# Altium PCB DAW500LCB.PcbDoc (part 1 of 3)
Units mm, origin at the board's own origin, x right, y up, seen from the top; angles counter-clockwise.
Board outline 180.09 x 194.82 mm, 2 copper layers (Top Layer, Bottom Layer); 330 components, 331 nets, 1136 pads, 143 vias.
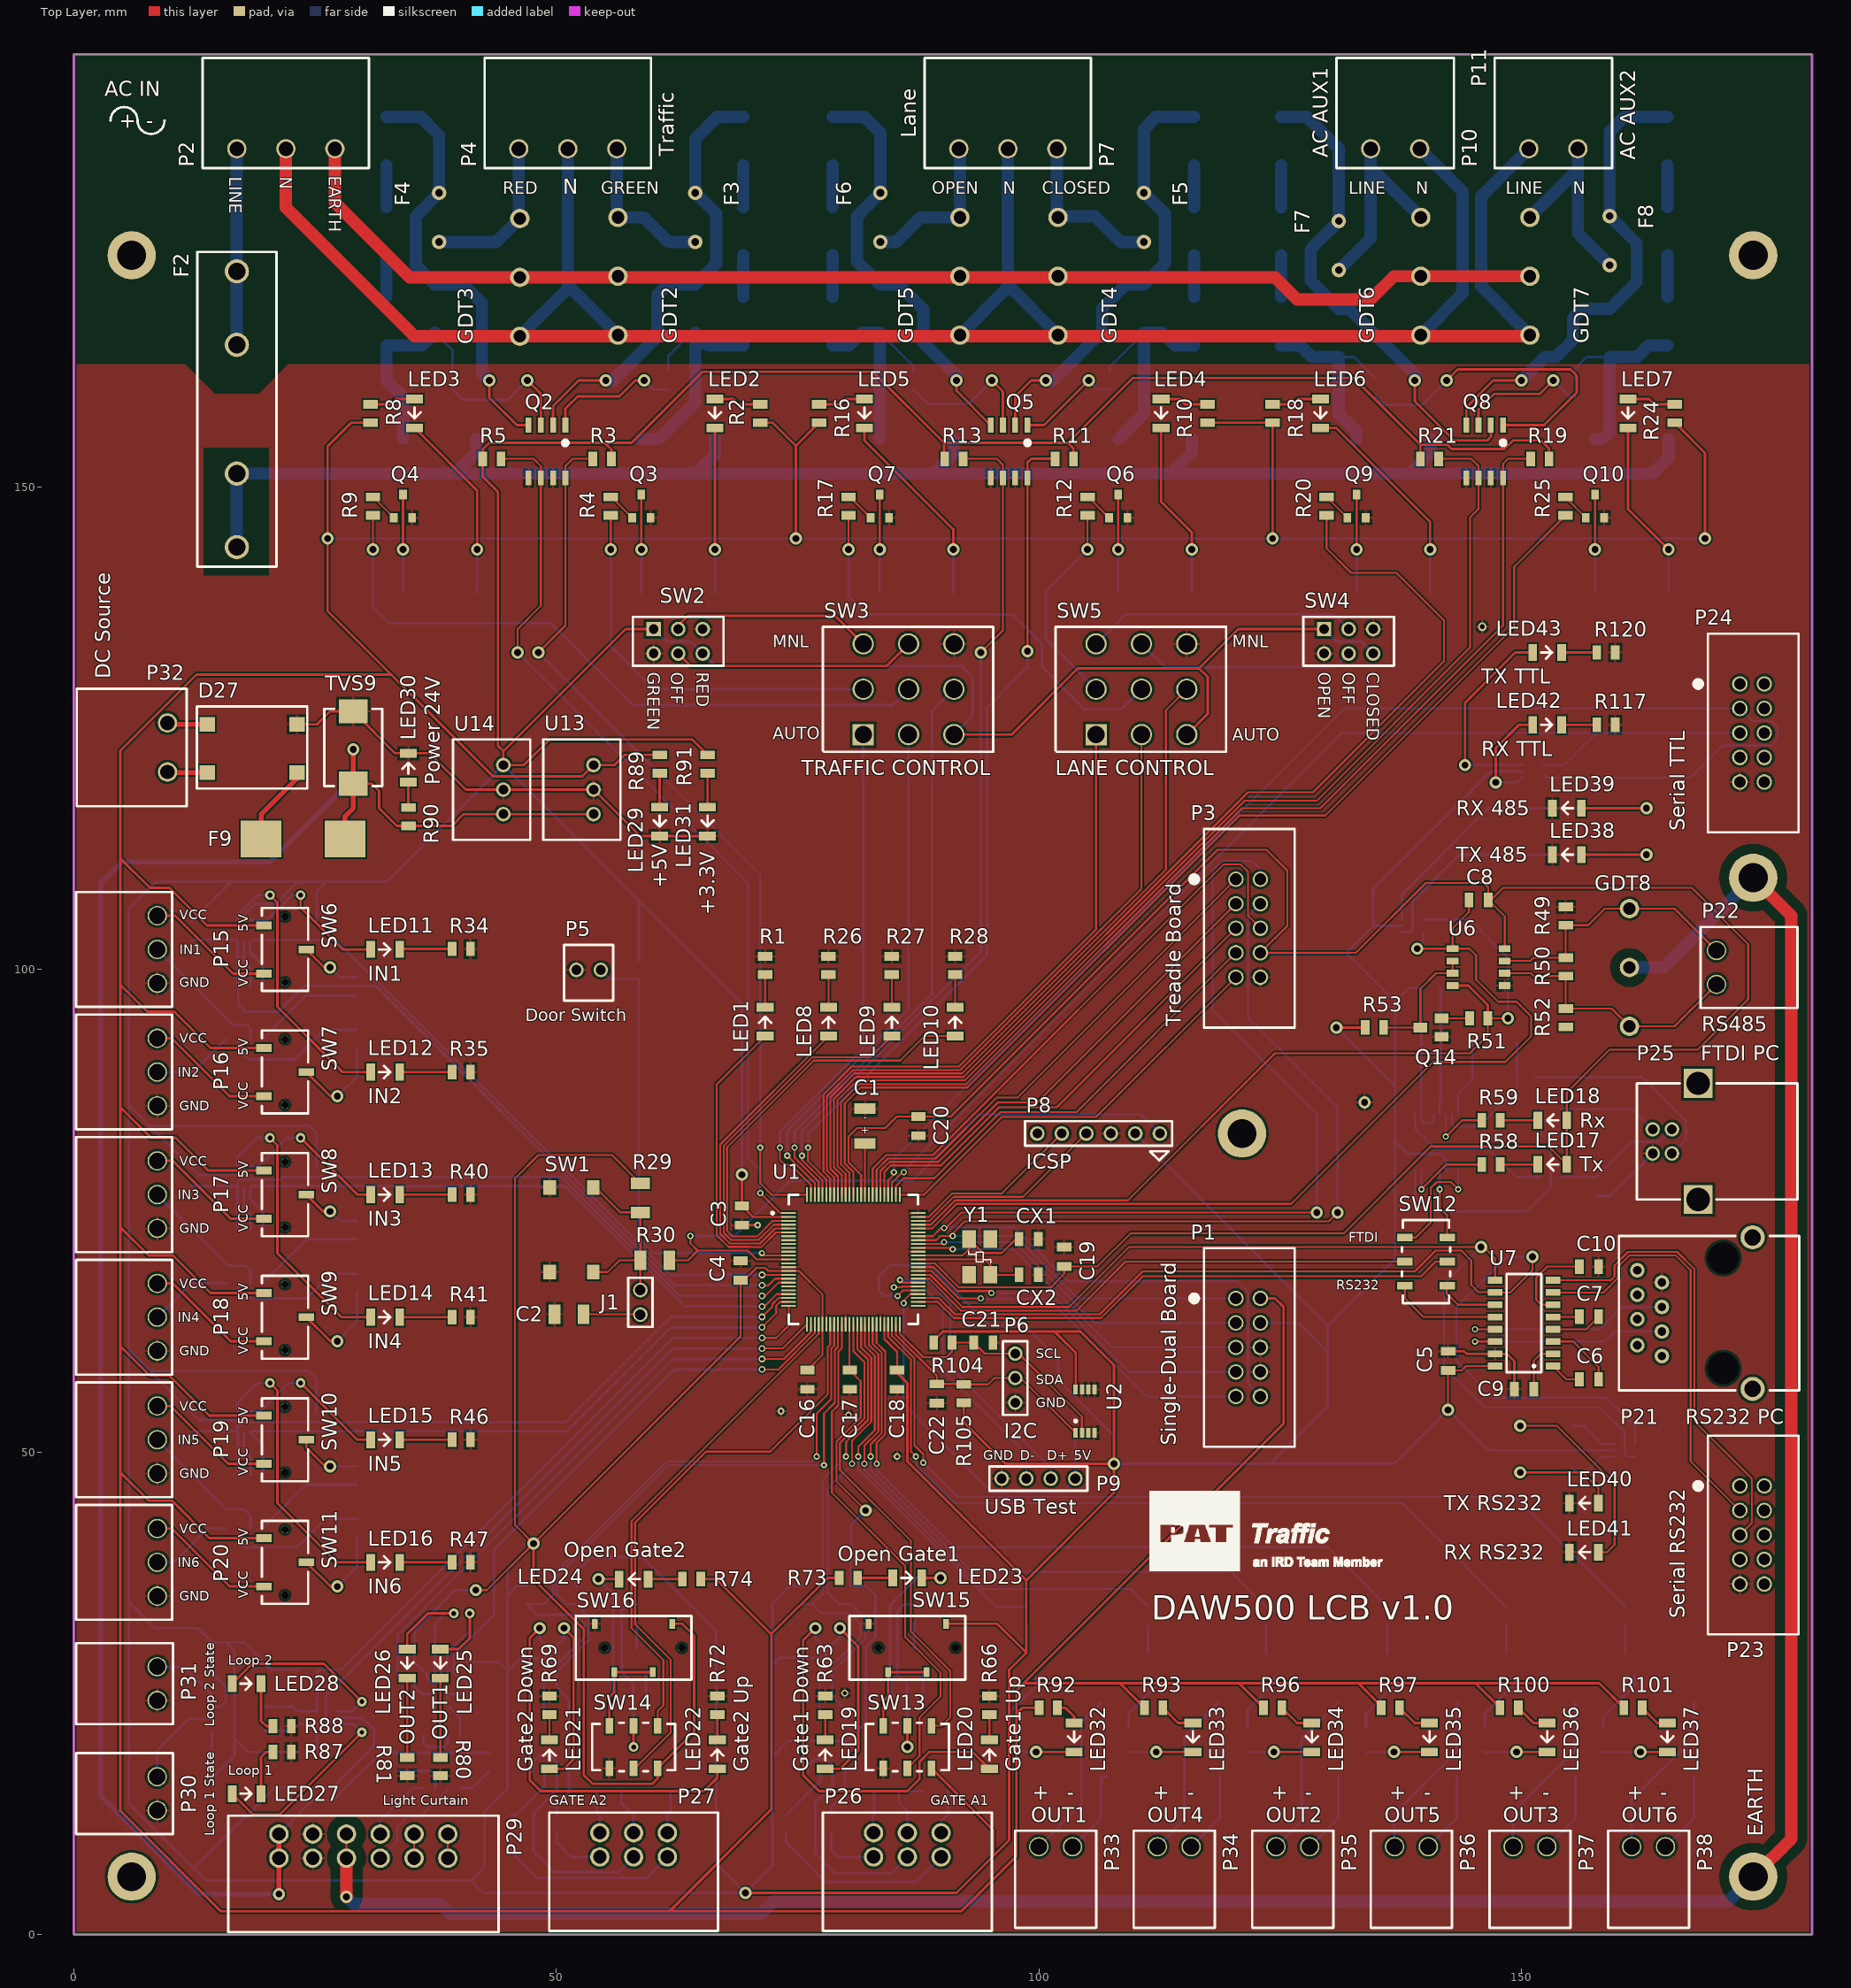
[diagram p0: Top Layer view]
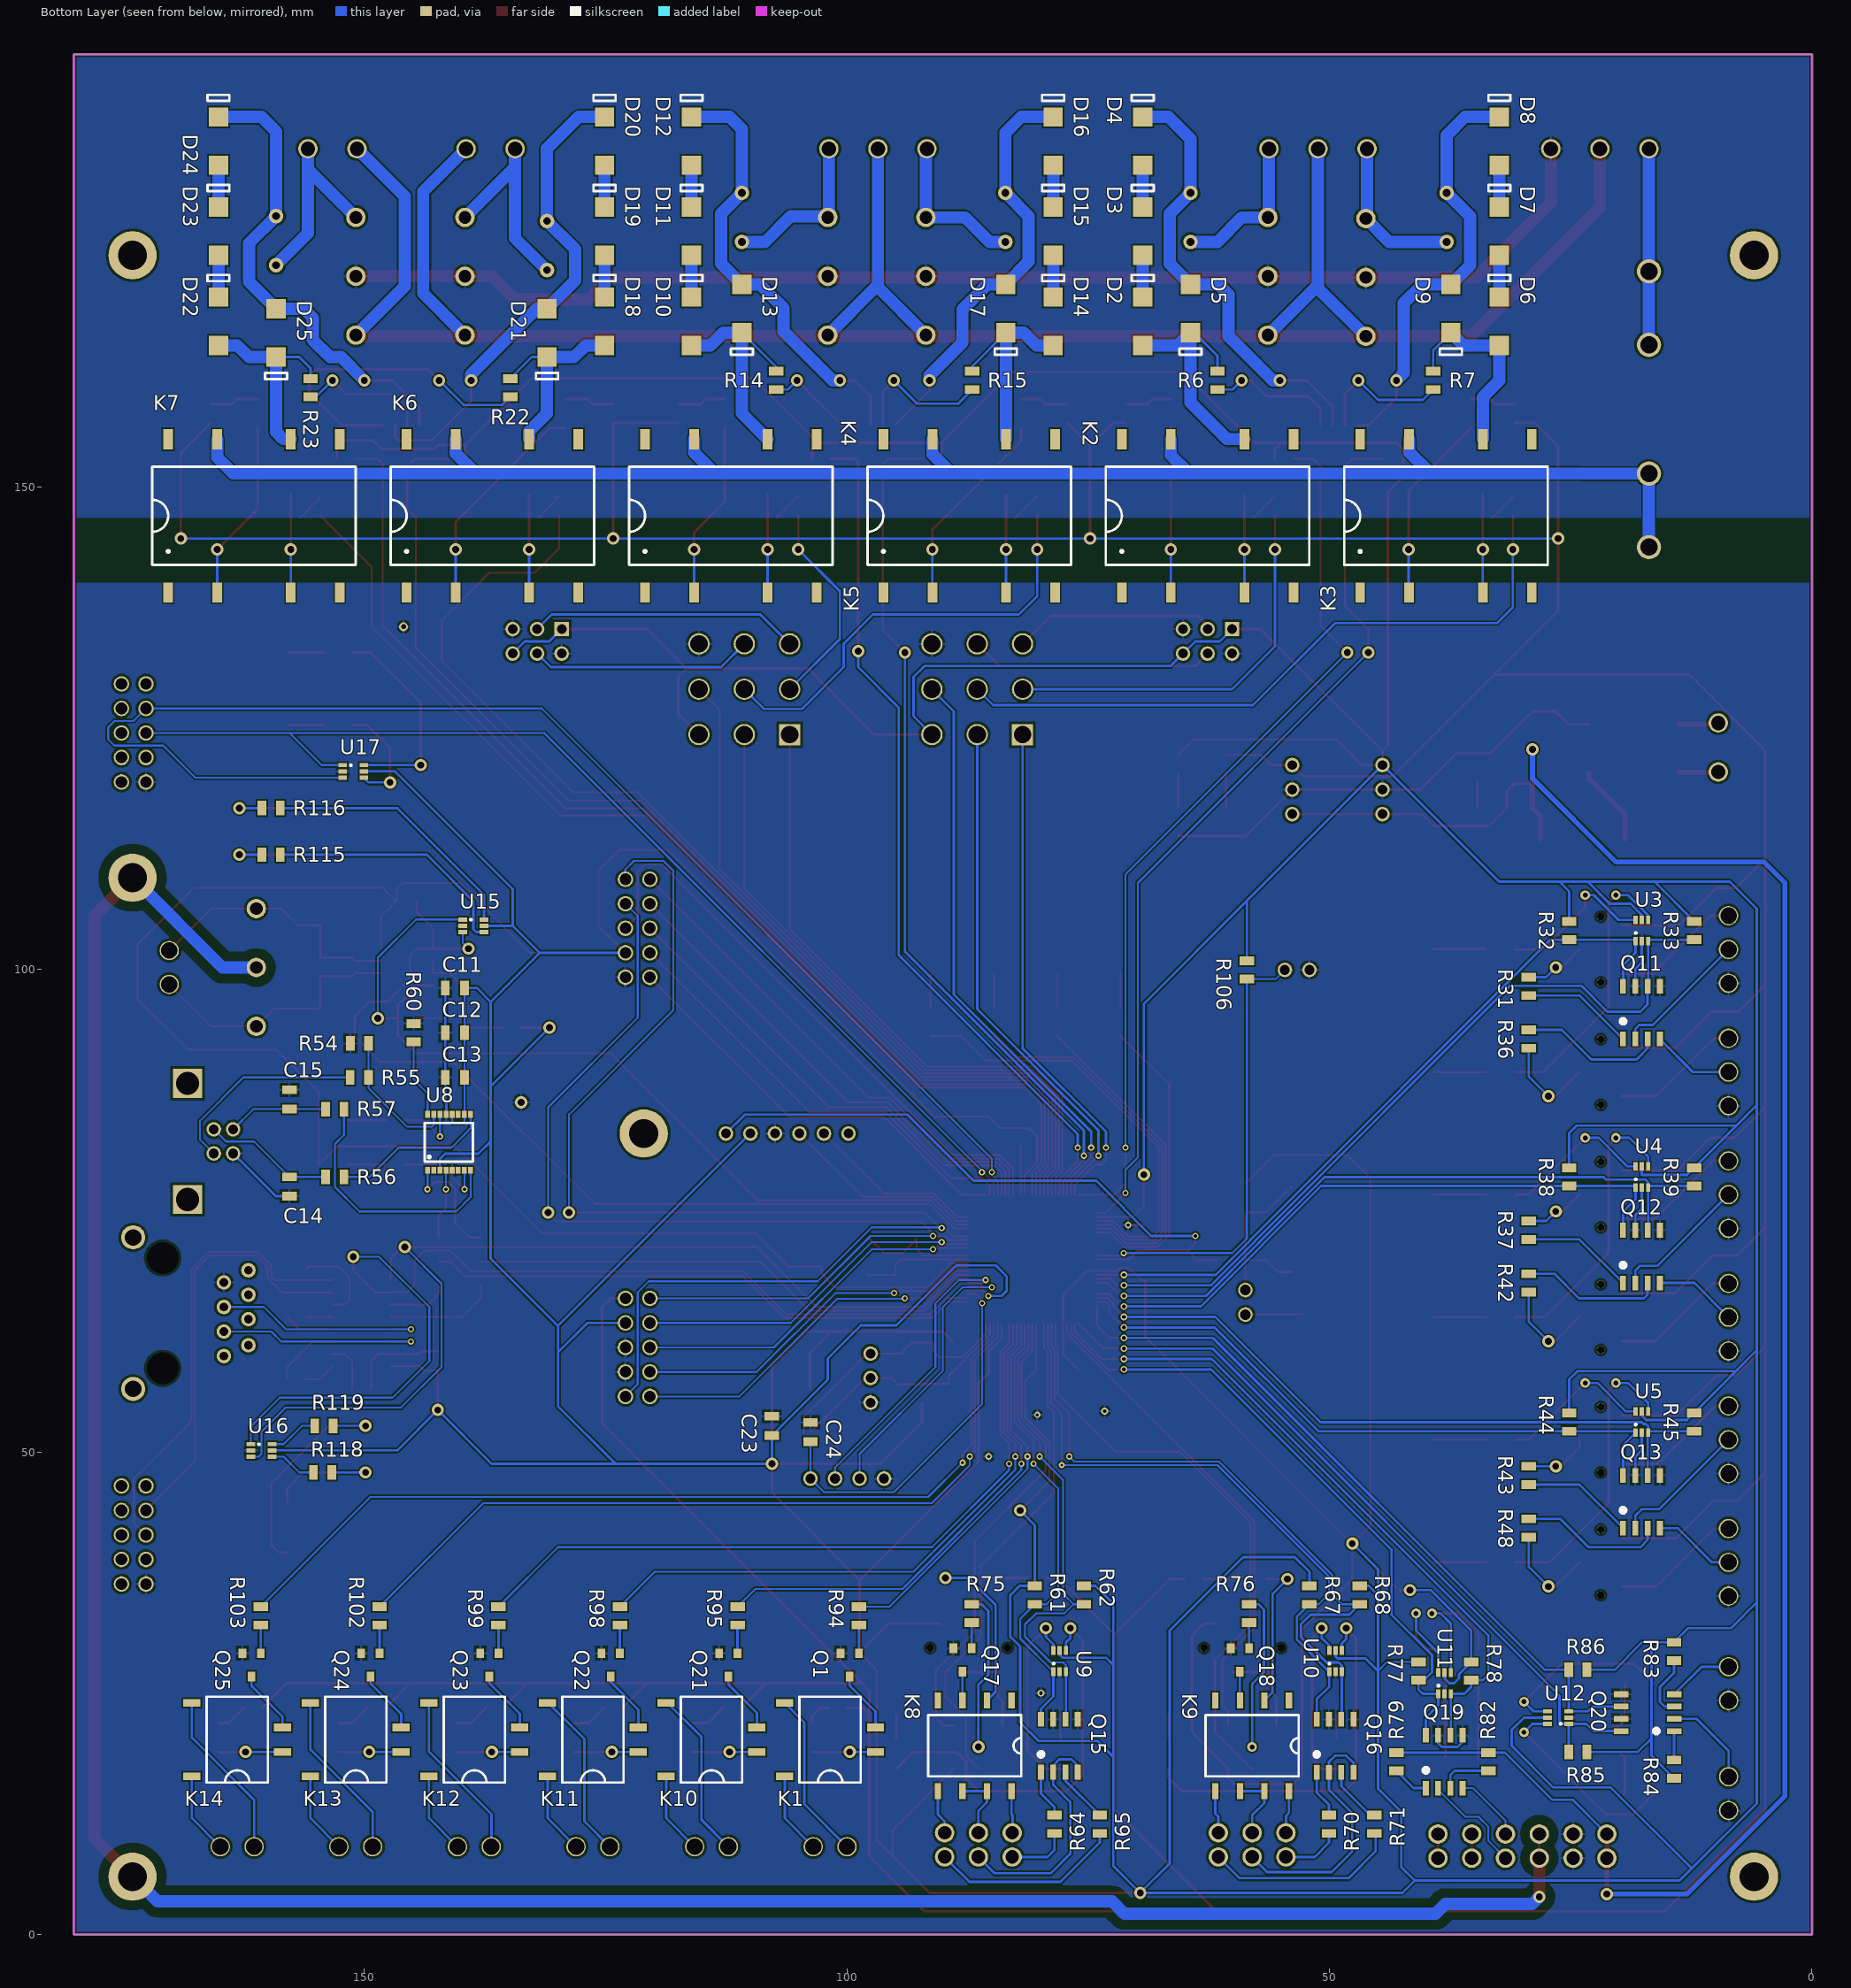
[diagram p1: Bottom Layer view, seen from below]
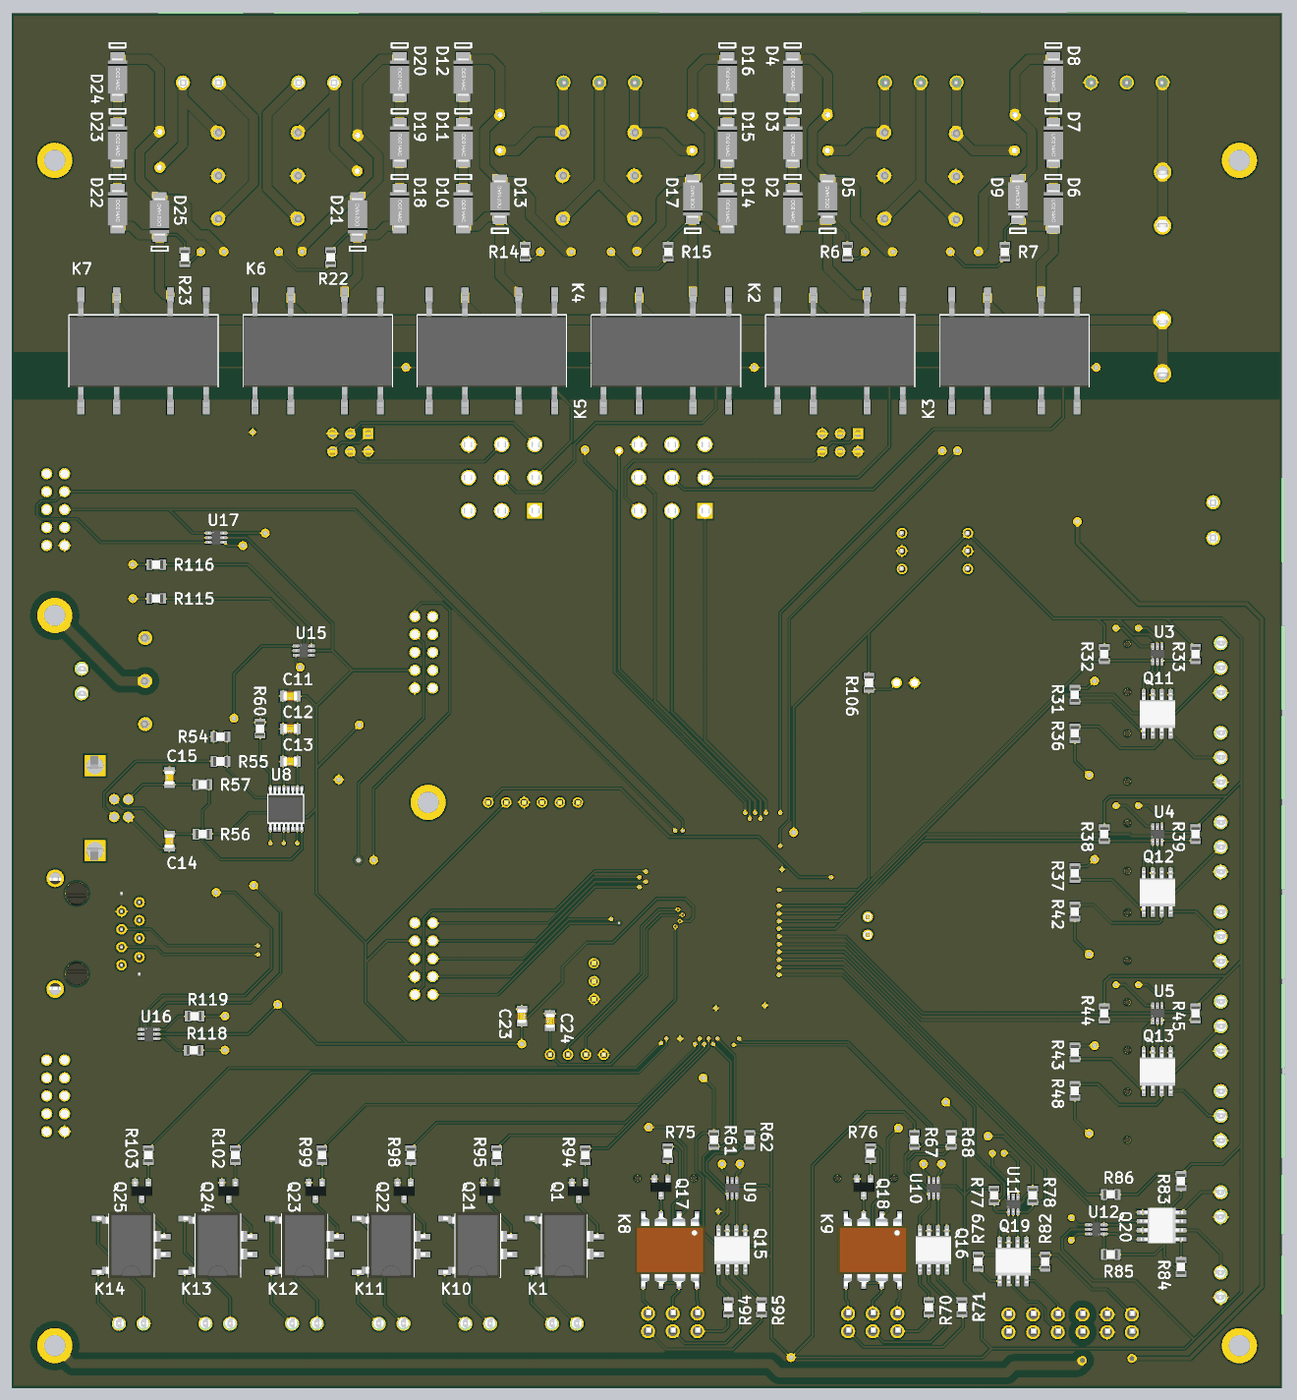
[diagram p4: 3D render of the assembled board from below, using the file's embedded part models]

## Layer stack, top to bottom
Top Solder: solder mask 0.0102, Solder Resist, Dk 3.5
Top Layer: signal copper 0.0356
Dielectric 1: dielectric 0.32, FR-4, Dk 4.8
Bottom Layer: signal copper 0.0356
Bottom Solder: solder mask 0.0102, Solder Resist, Dk 3.5

## Board outline
0,0 180.086,0 180.086,194.818 0,194.818

## Design rules (kind name [scope] priority, off if disabled: settings)
Clearance Clearance_1 [(InNamedPolygon('Top Layer-No Net')) vs InNet('EARTH2')] p1: gap=1
Clearance [All] p2: gap=0.16 except(0.1: SMDPad-SMDPad; 0.254: Track-THPad THPad-Poly)
Height [All] p1: minheight=0 maxheight=50 prefheight=12.7
HoleSize [All] p1: absolutevalues=TRUE maxlimit=6.3 minlimit=0.3 maxpercent=80.000 minpercent=20.000
HoleToHoleClearance [All] p1: gap=0.25 allowstackedmicrovias=TRUE
MinimumAnnularRing [All] p1: minimumring=0.15
MinimumSolderMaskSliver [All] p1: minsoldermaskwidth=0.1
PolygonConnect [All] p1: connectstyle=Relief reliefconductorwidth=0.254 reliefentries=4 polygonreliefangle="90 Angle" airgapwidth=0.254
RoomDefinition MainDAW500 [InComponentClass('MainDAW500')] p1: confinementstyle=ConfineIn formatcopy=TRUE lockcomponents=FALSE outline 127.889,120.396 44.704,120.396 44.704,45.212 127.889,45.212
RoomDefinition U_Loop [InComponentClass('U_Loop')] p2: confinementstyle=ConfineIn formatcopy=TRUE lockcomponents=FALSE outline 32.258,33.19 -0.424,33.19 -0.424,-0.381 32.258,-0.381
RoomDefinition U_LightCurtain [InComponentClass('U_LightCurtain')] p3: confinementstyle=ConfineIn formatcopy=TRUE lockcomponents=FALSE outline 15.113,31.75 15.113,-0.254 48.641,-0.254 48.641,31.75
RoomDefinition U_LaneACOutputs [InComponentClass('U_LaneACOutputs')] p4: confinementstyle=ConfineIn formatcopy=TRUE lockcomponents=FALSE outline 8.509,121.285 173.101,121.285 173.101,195.961 8.509,195.961
RoomDefinition U_Gate [InComponentClass('U_Gate')] p5: confinementstyle=ConfineIn formatcopy=TRUE lockcomponents=FALSE outline 32.258,-0.254 32.258,34.691 42.297,34.691 42.366,34.758 42.366,50.673 104.14,50.673 104.14,-0.254
RoomDefinition U_EnergyDC [InComponentClass('U_EnergyDC')] p6: confinementstyle=ConfineIn formatcopy=TRUE lockcomponents=FALSE outline -0.635,108.855 67.691,108.855 67.691,131.572 -0.635,131.572
RoomDefinition U_Communications [InComponentClass('U_Communications')] p7: confinementstyle=ConfineIn formatcopy=TRUE lockcomponents=FALSE outline 131.739,28.194 179.705,28.194 179.705,137.16 131.739,137.16
RoomDefinition U_AuxiliarOutputs [InComponentClass('U_AuxiliarOutputs')] p8: confinementstyle=ConfineIn formatcopy=TRUE lockcomponents=FALSE outline 169.291,42.926 95.885,42.926 95.885,0 169.291,0
RoomDefinition U_AuxiliarInputs [InComponentClass('U_AuxiliarInputs')] p9: confinementstyle=ConfineIn formatcopy=TRUE lockcomponents=FALSE outline 42.43,108.799 -0.496,108.799 -0.496,32.345 42.43,32.345
RoutingVias [All] p1: holewidth=0.5 width=0.9 viastyle="Through Hole" minholewidth=0.15 minwidth=0.3 maxholewidth=6 maxwidth=6.3
SilkToBoardRegionClearance SilkToBoardRegionClearance_1 [All] p1:
SilkToSolderMaskClearance [IsPad] p1: minsilkscreentomaskgap=0.1 clearancetoexposedcopper=TRUE
SolderMaskExpansion [All] p1: expansion=0.102
Width [All] p1: maxlimit=5 minlimit=0.15 preferedwidth=0.254
24 further rules are at their usual default settings.

## Classes and differential pairs
component class U_Loop: LED27 LED28 P30 P31 Q20 R83 R84 R85 R86 R87 R88 U12
component class U_LightCurtain: LED25 LED26 P29 Q19 R77 R78 R79 R80 R81 R82 U11
component class U_LaneACOutputs: D2 D3 D4 D5 D6 D7 D8 D9 D10 D11 D12 D13 D14 D15 D16 D17 D18 D19 D20 D21 D22 D23 D24 D25 F2 F3 F4 F5 F6 F7 F8 GDT2 GDT3 GDT4 GDT5 GDT6 GDT7 K2 K3 K4 K5 K6 K7 LED2 LED3 LED4 LED5 LED6 LED7 P2 P4 P7 P10 P11 Q2 Q3 Q4 Q5 Q6 Q7 Q8 Q9 Q10 R2 R3 R4 R5 R6 R7 R8 R9 R10 R11 R12 R13 R14 R15 R16 R17 R18 R19 R20 R21 R22 R23 R24 R25 SW2 SW3 SW4 SW5
component class U_Gate: K8 K9 LED19 LED20 LED21 LED22 LED23 LED24 P26 P27 Q15 Q16 Q17 Q18 R61 R62 R63 R64 R65 R66 R67 R68 R69 R70 R71 R72 R73 R74 R75 R76 SW13 SW14 SW15 SW16 U9 U10
component class U_EnergyDC: D27 F9 LED29 LED30 LED31 P32 R89 R90 R91 TVS9 U13 U14
component class U_Communications: C5 C6 C7 C8 C9 C10 C11 C12 C13 C14 C15 GDT8 LED17 LED18 LED38 LED39 LED40 LED41 LED42 LED43 P21 P22 P23 P24 P25 Q14 R49 R50 R51 R52 R53 R54 R55 R56 R57 R58 R59 R60 R115 R116 R117 R118 R119 R120 SW12 U6 U7 U8 U15 U16 U17
component class U_AuxiliarOutputs: K1 K10 K11 K12 K13 K14 LED32 LED33 LED34 LED35 LED36 LED37 P33 P34 P35 P36 P37 P38 Q1 Q21 Q22 Q23 Q24 Q25 R92 R93 R94 R95 R96 R97 R98 R99 R100 R101 R102 R103
component class U_AuxiliarInputs: LED11 LED12 LED13 LED14 LED15 LED16 P15 P16 P17 P18 P19 P20 Q11 Q12 Q13 R31 R32 R33 R34 R35 R36 R37 R38 R39 R40 R41 R42 R43 R44 R45 R46 R47 R48 SW6 SW7 SW8 SW9 SW10 SW11 U3 U4 U5
component class MainDAW500: C1 C2 C3 C4 C16 C17 C18 C19 C20 C21 C22 C23 C24 CX1 CX2 J1 LED1 LED8 LED9 LED10 P1 P3 P5 P6 P8 P9 R1 R26 R27 R28 R29 R30 R104 R105 R106 SW1 U1 U2 Y1

## Components (designator, comment, footprint, x,y, rotation, side; value= is the part's Value field where it differs from the comment)
C1 "10uF" CAPACITORT1210 81.972,83.762 r90 top
C2 "0.1uF" Capacitor1206 51.308,64.262 r0 top
C3 "0.1uF" Capacitor0805 69.215,74.509 r270 top
C4 "0.1uF" Capacitor0805 69.088,68.81 r90 top
C5 "10uF" Capacitor0805 142.383,59.436 r270 top
C6 "0.1uF" Capacitor0805 156.988,57.531 r180 top
C7 "0.1uF" Capacitor0805 156.988,64.008 r0 top
C8 "0.1uF" Capacitor0805 145.558,107.188 r180 top
C9 "0.1uF" Capacitor0805 150.255,56.515 r180 top
C10 "0.1uF" Capacitor0805 156.988,69.2 r0 top
C11 "100nF" Capacitor0805 140.603,98.081 r0 bottom
C12 "100nF" Capacitor0805 140.603,93.446 r0 bottom
C13 "4.7uF" Capacitor0805 140.603,88.81 r0 bottom
C14 "47pF" Capacitor0805 157.748,77.507 r270 bottom
C15 "47pF" Capacitor0805 157.748,86.524 r90 bottom
C16 "0.1uF" Capacitor0805 76,57.5 r270 top
C17 "0.1uF" Capacitor0805 80.4,57.5 r270 top
C18 "0.1uF" Capacitor0805 85.3,57.5 r270 top
C19 "0.1uF" Capacitor0805 102.616,70.231 r90 top
C20 "0.1uF" Capacitor0805 87.503,83.762 r270 top
C21 "51pF" Capacitor0805 94.234,61.341 r0 top
C22 "51pF" Capacitor0805 89.426,56.049 r270 top
C23 "0.1uF" Capacitor0805 107.757,52.705 r270 bottom
C24 "10uF" Capacitor0805 103.759,52.07 r90 bottom
CX1 "6pF" Capacitor0805 98.933,72.057 r0 top
CX2 "6pF" Capacitor0805 98.933,68.357 r0 top
D2 "D_GP" SMA 69.342,169.164 r270 bottom
D3 "D_GP" SMA 69.342,178.498 r270 bottom
D4 "D_GP" SMA 69.342,187.833 r270 bottom
D5 "D_GP" SMA 64.389,166.483 r90 bottom
D6 "D_GP" SMA 32.385,169.164 r270 bottom
D7 "D_GP" SMA 32.385,178.498 r270 bottom
D8 "D_GP" SMA 32.385,187.833 r270 bottom
D9 "D_GP" SMA 37.409,166.483 r90 bottom
D10 "D_GP" SMA 116.078,169.164 r270 bottom
D11 "D_GP" SMA 116.078,178.498 r270 bottom
D12 "D_GP" SMA 116.078,187.833 r270 bottom
D13 "D_GP" SMA 110.871,166.483 r90 bottom
D14 "D_GP" SMA 78.613,169.164 r270 bottom
D15 "D_GP" SMA 78.613,178.498 r270 bottom
D16 "D_GP" SMA 78.613,187.833 r270 bottom
D17 "D_GP" SMA 83.523,166.483 r90 bottom
D18 "D_GP" SMA 125.095,169.164 r270 bottom
D19 "D_GP" SMA 125.095,178.498 r270 bottom
D20 "D_GP" SMA 125.095,187.833 r270 bottom
D21 "D_GP" SMA 131.064,163.957 r90 bottom
D22 "D_GP" SMA 165.1,169.164 r270 bottom
D23 "D_GP" SMA 165.1,178.498 r270 bottom
D24 "D_GP" SMA 165.1,187.833 r270 bottom
D25 "D_GP" SMA 159.131,163.957 r90 bottom
D27 "Full Bridge 1.5A" SDIP4 22.914,120.397 r90 top
F2 "Fuse" FH_25mm 16.891,172.339 r270 top
F3 "PTCFuse" PTCFUSE2 64.389,177.923 r0 top
F4 "PTCFuse" PTCFUSE2 37.846,177.923 r0 top
F5 "PTCFuse" PTCFUSE2 110.871,177.923 r0 top
F6 "PTCFuse" PTCFUSE2 83.566,177.923 r0 top
F7 "PTCFuse" PTCFUSE2 131.064,175.006 r0 top
F8 "PTCFuse" PTCFUSE2 159.131,175.514 r0 top
F9 "Fuse" FUSEBLOCKSMD 23.749,113.538 r0 top
GDT2 "GDT2026XXC4" GDT2026XXC4 56.375,171.823 r270 top
GDT3 "GDT2026XXC4" GDT2026XXC4 46.215,171.704 r270 top
GDT4 "GDT2026XXC4" GDT2026XXC4 101.968,171.823 r270 top
GDT5 "GDT2026XXC4" GDT2026XXC4 91.808,171.823 r270 top
GDT6 "GDT2026XXC4" GDT2026XXC4 139.56,171.823 r270 top
GDT7 "GDT2026XXC4" GDT2026XXC4 150.863,171.823 r270 top
GDT8 "GDT2026XXC4" GDT2026XXC4 161.179,100.203 r90 top
J1 "Jumper" Jumper 58.698,65.508 r270 top
K1 "SSR-PVDZ172N" PVDZ172N 101.727,20.193 r90 bottom
K2 "SSR-CPC1964B" CPC1964B 62.617,147 r180 bottom
K3 "SSR-CPC1964B" CPC1964B 37.917,147 r180 bottom
K4 "SSR-CPC1964B" CPC1964B 112.017,147 r180 bottom
K5 "SSR-CPC1964B" CPC1964B 87.317,147 r180 bottom
K6 "SSR-CPC1964B" CPC1964B 136.717,147 r180 bottom
K7 "SSR-CPC1964B" CPC1964B 161.417,147 r180 bottom
K8 "SSR-LC120" LCC120S 86.743,19.559 r270 bottom
K9 "SSR-LC120" LCC120S 58.002,19.559 r270 bottom
K10 "SSR-PVDZ172N" PVDZ172N 114.013,20.193 r90 bottom
K11 "SSR-PVDZ172N" PVDZ172N 126.299,20.193 r90 bottom
K12 "SSR-PVDZ172N" PVDZ172N 138.586,20.193 r90 bottom
K13 "SSR-PVDZ172N" PVDZ172N 150.872,20.193 r90 bottom
K14 "SSR-PVDZ172N" PVDZ172N 163.158,20.193 r90 bottom
LED1 "Error Sensor" SMD1206 71.628,94.591 r90 top
LED2 "LedSMD" SMD1206 66.428,157.607 r270 top
LED3 "LedSMD" SMD1206 35.306,157.607 r270 top
LED4 "LedSMD" SMD1206 112.649,157.607 r270 top
LED5 "LedSMD" SMD1206 81.915,157.607 r270 top
LED6 "LedSMD" SMD1206 129.159,157.607 r270 top